# Altium PCB 10515.0462_全联供主板(2拼版)_V1.0.PcbDoc (part 12 of 18)
Units mm, origin at the board's own origin, x right, y up, seen from the top; angles counter-clockwise.
Board outline 282 x 198 mm, 2 copper layers (Top Layer, Bottom Layer); 716 components, 0 nets, 2364 pads, 1800 vias.
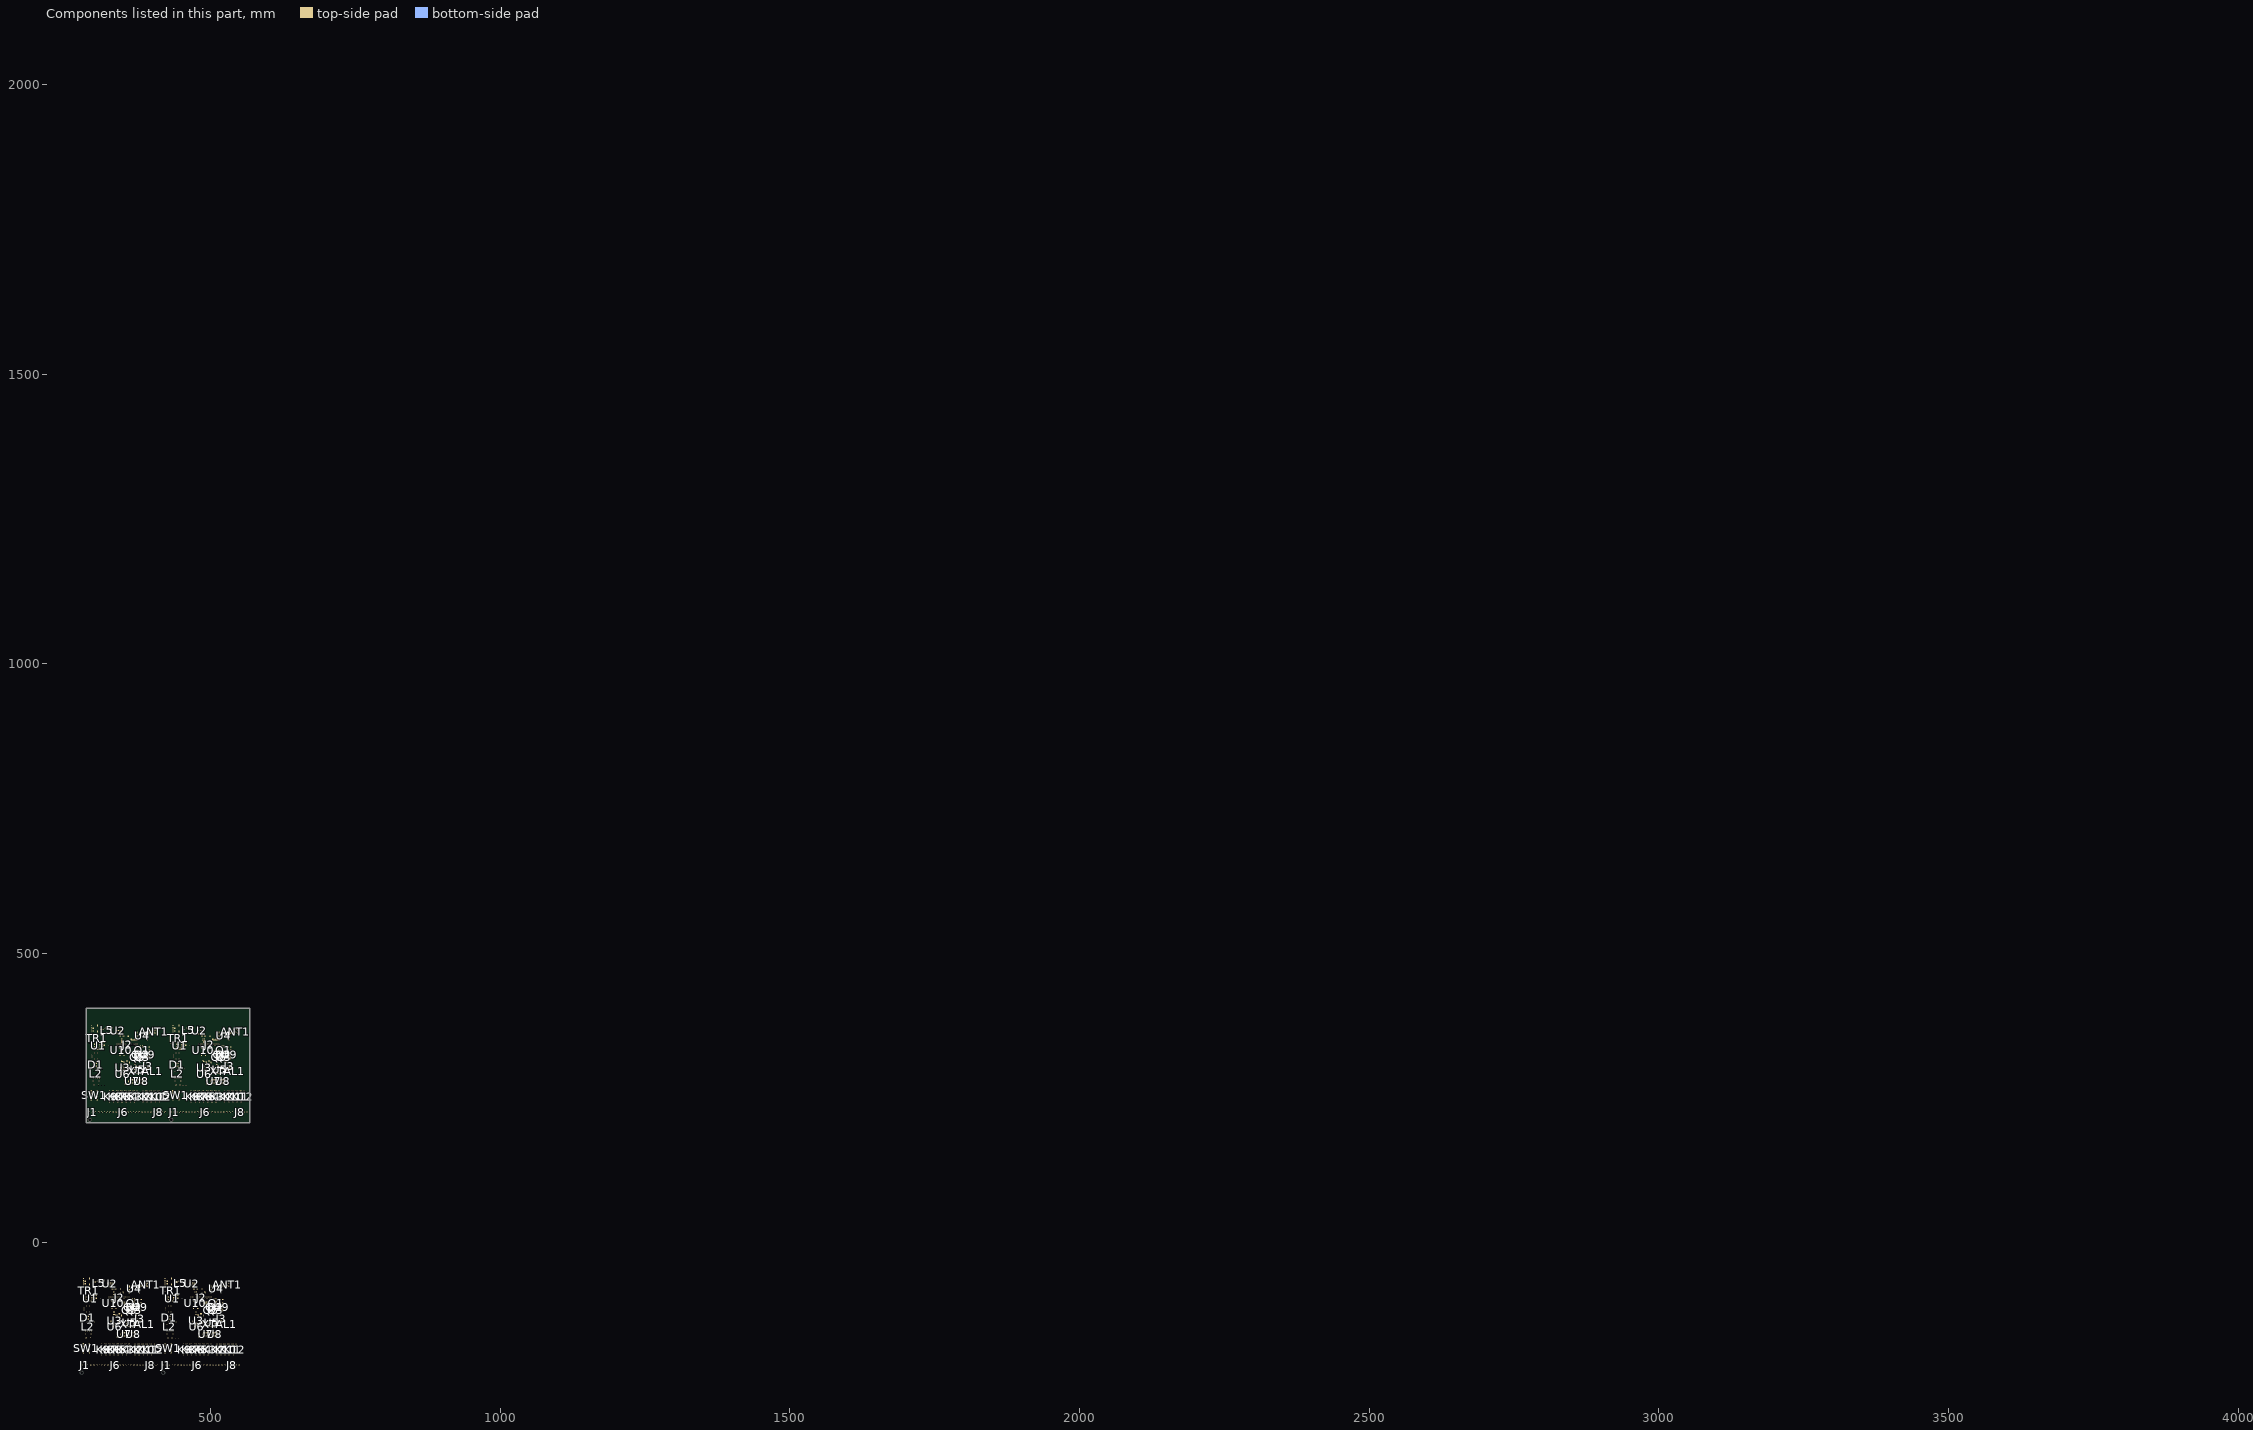
[diagram p12: the components of this part, seen from the top]

## Via types
v1: diameter 0.7, hole 0.4, Top Layer to Bottom Layer, tented both sides, 1800 vias

## Nets (pads, with @x,y where several pads share a name; then routed paths per layer and width w, separated by ;. In a path a pad name is that pad's centre, name@x,y a point inside that pad or via, vN(x,y) a via of type N, cw(c..) or ccw(c..) an arc to the next point about the centre after c; other vN are vias at no path point) (continued)
copper on no net: (continued)
  Top Layer w1: 276.62,-91.985 278.5,-90.106 283.326,-90.106 ; 276.62,-81.985 278.872,-81.985 280.049,-83.162 280.049,-83.984 ; 279.041,-82.154 cw(c277.211,-83.984) 279.799,-83.984 ; 280.049,-73.984 280.049,-76.895 281.412,-78.258 288.397,-78.258 289.605,-77.05 289.605,-76.099 ; 280.38,-97.135 cw(c277.147,-100.368) 281.72,-100.368 ; 280.557,-96.958 283.28,-96.958 ; 281.72,-101.002 281.72,-96.978 ; 282.206,-90.106 ccw(c282.206,-88.428) 283.393,-89.614 ; 284.972,-100.826 ccw(c282.446,-98.3) 286.018,-98.3 ; 285.149,-101.002 286.018,-100.133 286.018,-97.852 ; 285.735,-98.235 cw(c285.052,-98.918) 286.018,-98.918 cw(c286.984,-98.918) 286.301,-98.235 ; 286.111,-136.551 289.319,-136.551 ; 286.301,-93.302 ccw(c288.019,-91.584) 288.019,-94.013 ; 286.547,-94.013 289.059,-94.013 ; 288.431,-102.399 290.59,-102.399 ; 288.431,-100.099 290.59,-100.099 ; 289.009,-77.646 ccw(c287.924,-76.561) 289.33,-75.947 ; 289.059,-97.562 v1(289.059,-96.945) v1(289.685,-96.945) 289.794,-97.054 289.794,-97.308 ; 289.059,-94.895 289.059,-94.013 ; 289.059,-91.868 cw(c291.647,-91.868) 289.817,-90.039 ; 289.605,-89.826 289.059,-90.372 289.059,-94.013 ; 290.249,344.61 292.128,346.49 296.954,346.49 ; 290.249,354.61 292.501,354.61 293.678,353.433 293.678,352.611 ; 290.677,-102.486 290.59,-102.399 ; 292.67,354.441 cw(c290.839,352.611) 293.428,352.611 ; 293.003,-100.099 295.162,-100.099 ; 293.678,362.611 293.678,359.701 295.041,358.337 302.026,358.337 303.234,359.545 303.234,360.496 ; 294.009,339.461 cw(c290.775,336.227) 295.348,336.227 ; 294.186,339.637 296.909,339.637 ; 295.348,335.593 295.348,339.618 ; 295.605,-89.826 296.226,-90.447 302.209,-90.447 ; 295.817,-89.614 ccw(c297.829,-87.603) 297.829,-90.447 ; 295.835,346.49 ccw(c295.835,348.168) 297.022,346.981 ; 297.979,-102.399 ccw(c297.979,-100.989) 298.976,-101.986 ; 298.601,335.77 ccw(c296.075,338.296) 299.647,338.296 ; 298.777,335.593 299.647,336.462 299.647,338.743 ; 299.226,-101.986 298.813,-102.399 295.162,-102.399 293.003,-102.399 290.59,-102.399 ; 299.226,-99.986 299.48,-99.732 299.48,-97.319 ; 299.364,338.36 cw(c298.681,337.677) 299.647,337.677 cw(c300.612,337.677) 299.93,338.36 ; 299.48,-95.019 301.981,-95.019 ; 299.74,300.044 302.948,300.044 ; 299.93,343.294 ccw(c301.648,345.012) 301.648,342.582 ; 300.176,342.582 302.688,342.582 ; 300.296,-90.447 ccw(c300.296,-88.246) 301.853,-89.803 ; 300.469,-95.019 cw(c300.469,-96.976) 301.853,-95.593 ; 300.847,-95.019 ccw(c300.847,-93.596) 301.853,-94.603 ; 301.02,-90.447 cw(c301.02,-91.626) 301.853,-90.793 ; 302.06,334.196 304.219,334.196 ; 302.06,336.496 304.219,336.496 ; 302.638,358.949 ccw(c301.553,360.035) 302.959,360.649 ; 302.688,339.033 v1(302.688,339.65) v1(303.314,339.65) 303.423,339.541 303.423,339.287 ; 302.688,341.7 302.688,342.582 ; 302.688,344.727 cw(c305.276,344.727) 303.446,346.557 ; 303.234,346.769 302.688,346.223 302.688,342.582 ; 304.306,334.109 304.219,334.196 ; 306.632,336.496 308.791,336.496 ; 309.234,346.769 309.855,346.148 315.838,346.148 ; 309.446,346.981 ccw(c311.457,348.993) 311.457,346.148 ; 311.608,334.196 ccw(c311.608,335.606) 312.605,334.609 ; 312.855,334.609 312.442,334.196 308.791,334.196 306.632,334.196 304.219,334.196 ; 312.855,336.609 313.109,336.863 313.109,339.276 ; 313.109,341.576 315.61,341.576 ; 313.925,346.148 ccw(c313.925,348.35) 315.482,346.793 ; 314.098,341.576 cw(c314.098,339.619) 315.482,341.003 ; 314.475,341.576 ccw(c314.475,342.999) 315.482,341.993 ; 314.648,346.148 cw(c314.648,344.97) 315.482,345.803 ; 327.499,-75.475 328.909,-74.066 330.801,-74.066 330.801,-78.397 330.058,-79.14 ; 327.547,-74.48 ccw(c327.839,-72.997) 328.909,-74.066 ; 330.058,-80.545 cw(c331.141,-80.545) 330.927,-79.483 ; 330.484,-75.273 ccw(c329.471,-74.26) 330.894,-74.093 ; 330.801,-78.158 ccw(c331.84,-78.158) 331.105,-78.893 ; 330.801,-74.956 330.058,-75.699 330.058,-79.14 ; 331.201,-79.207 ccw(c332.895,-79.537) 331.675,-80.757 ; 332.075,-86.777 332.075,-84.237 332.075,-81.157 330.058,-79.14 ; 332.075,-82.312 330.058,-80.295 330.058,-79.14 ; 332.343,-69.008 v1(333.101,-69.008) 334.161,-69.008 335.658,-70.505 335.658,-79.14 334.361,-80.437 334.361,-82.83 ; 334.361,-86.777 334.361,-84.237 334.361,-82.83 ; 334.361,-81.185 cw(c336.902,-81.185) 335.105,-79.388 ; 334.361,-80.529 cw(c335.573,-80.529) 335.018,-79.451 ; 335.658,-80.273 334.361,-81.57 334.361,-82.83 ; 341.128,361.12 342.537,362.53 344.43,362.53 344.43,358.198 343.687,357.455 ; 341.176,362.115 ccw(c341.468,363.599) 342.537,362.53 ; 343.687,356.051 cw(c344.77,356.051) 344.556,357.112 ; 344.113,361.323 ccw(c343.1,362.336) 344.523,362.503 ; 344.43,358.438 ccw(c345.469,358.438) 344.734,357.703 ; 344.43,361.639 343.687,360.896 343.687,357.455 ; 344.83,357.388 ccw(c346.524,357.058) 345.304,355.838 ; 345.704,349.818 345.704,352.358 345.704,355.438 343.687,357.455 ; 345.704,354.283 343.687,356.301 343.687,357.455 ; 345.971,367.587 v1(346.73,367.587) 347.79,367.587 349.287,366.09 349.287,357.455 347.99,356.158 347.99,353.765 ; 347.99,349.818 347.99,352.358 347.99,353.765 ; 347.99,355.411 cw(c350.531,355.411) 348.734,357.208 ; 347.99,356.067 cw(c349.202,356.067) 348.647,357.144 ; 349.287,356.322 347.99,355.025 347.99,353.765 ; 385.033,-74.482 390.113,-74.482 390.113,-69.402 385.033,-69.402 ; 385.74,-75.189 cw(c387.447,-76.896) 387.447,-74.482 cw(c387.447,-72.068) 385.74,-73.775 ; 385.74,-70.109 cw(c387.447,-71.816) 387.447,-69.402 cw(c387.447,-66.988) 385.74,-68.695 ; 389.406,-75.189 ccw(c387.698,-76.896) 387.698,-74.482 ccw(c387.698,-72.068) 389.406,-73.775 ccw(c387.698,-72.068) 390.113,-72.068 ccw(c392.527,-72.068) 390.82,-73.775 ; 389.406,-68.695 cw(c387.698,-66.988) 387.698,-69.402 cw(c387.698,-71.816) 389.406,-70.109 cw(c387.698,-71.816) 390.113,-71.816 cw(c392.527,-71.816) 390.82,-70.109 ; 398.661,362.114 403.741,362.114 403.741,367.194 398.661,367.194 ; 399.369,361.406 cw(c401.076,359.699) 401.076,362.114 cw(c401.076,364.528) 399.369,362.821 ; 399.369,366.486 cw(c401.076,364.779) 401.076,367.194 cw(c401.076,369.608) 399.369,367.901 ; 403.034,361.406 ccw(c401.327,359.699) 401.327,362.114 ccw(c401.327,364.528) 403.034,362.821 ccw(c401.327,364.528) 403.741,364.528 ccw(c406.156,364.528) 404.449,362.821 ; 403.034,367.901 cw(c401.327,369.608) 401.327,367.194 cw(c401.327,364.779) 403.034,366.486 cw(c401.327,364.779) 403.741,364.779 cw(c406.156,364.779) 404.449,366.486 ; 417.62,-91.985 419.5,-90.106 424.326,-90.106 ; 417.62,-81.985 419.872,-81.985 421.049,-83.162 421.049,-83.984 ; 420.041,-82.154 cw(c418.211,-83.984) 420.799,-83.984 ; 421.049,-73.984 421.049,-76.895 422.412,-78.258 429.397,-78.258 430.605,-77.05 430.605,-76.099 ; 421.38,-97.135 cw(c418.147,-100.368) 422.72,-100.368 ; 421.557,-96.958 424.28,-96.958 ; 422.72,-101.002 422.72,-96.978 ; 423.206,-90.106 ccw(c423.206,-88.428) 424.393,-89.614 ; 425.972,-100.826 ccw(c423.446,-98.3) 427.018,-98.3 ; 426.149,-101.002 427.018,-100.133 427.018,-97.852 ; 426.735,-98.235 cw(c426.052,-98.918) 427.018,-98.918 cw(c427.984,-98.918) 427.301,-98.235 ; 427.111,-136.551 430.319,-136.551 ; 427.301,-93.302 ccw(c429.019,-91.584) 429.019,-94.013 ; 427.547,-94.013 430.059,-94.013 ; 429.431,-102.399 431.59,-102.399 ; 429.431,-100.099 431.59,-100.099 ; 430.009,-77.646 ccw(c428.924,-76.561) 430.33,-75.947 ; 430.059,-97.562 v1(430.059,-96.945) v1(430.685,-96.945) 430.794,-97.054 430.794,-97.308 ; 430.059,-94.895 430.059,-94.013 ; 430.059,-91.868 cw(c432.647,-91.868) 430.817,-90.039 ; 430.605,-89.826 430.059,-90.372 430.059,-94.013 ; 431.249,344.61 433.128,346.49 437.954,346.49 ; 431.249,354.61 433.501,354.61 434.678,353.433 434.678,352.611 ; 431.677,-102.486 431.59,-102.399 ; 433.67,354.441 cw(c431.839,352.611) 434.428,352.611 ; 434.003,-100.099 436.162,-100.099 ; 434.678,362.611 434.678,359.701 436.041,358.337 443.026,358.337 444.234,359.545 444.234,360.496 ; 435.009,339.461 cw(c431.775,336.227) 436.348,336.227 ; 435.186,339.637 437.909,339.637 ; 436.348,335.593 436.348,339.618 ; 436.605,-89.826 437.226,-90.447 443.209,-90.447 ; 436.817,-89.614 ccw(c438.829,-87.603) 438.829,-90.447 ; 436.835,346.49 ccw(c436.835,348.168) 438.022,346.981 ; 438.979,-102.399 ccw(c438.979,-100.989) 439.976,-101.986 ; 439.601,335.77 ccw(c437.075,338.296) 440.647,338.296 ; 439.777,335.593 440.647,336.462 440.647,338.743 ; 440.226,-101.986 439.813,-102.399 436.162,-102.399 434.003,-102.399 431.59,-102.399 ; 440.226,-99.986 440.48,-99.732 440.48,-97.319 ; 440.364,338.36 cw(c439.681,337.677) 440.647,337.677 cw(c441.612,337.677) 440.93,338.36 ; 440.48,-95.019 442.981,-95.019 ; 440.74,300.044 443.948,300.044 ; 440.93,343.294 ccw(c442.648,345.012) 442.648,342.582 ; 441.176,342.582 443.688,342.582 ; 441.296,-90.447 ccw(c441.296,-88.246) 442.853,-89.803 ; 441.469,-95.019 cw(c441.469,-96.976) 442.853,-95.593 ; 441.847,-95.019 ccw(c441.847,-93.596) 442.853,-94.603 ; 442.02,-90.447 cw(c442.02,-91.626) 442.853,-90.793 ; 443.06,334.196 445.219,334.196 ; 443.06,336.496 445.219,336.496 ; 443.638,358.949 ccw(c442.553,360.035) 443.959,360.649 ; 443.688,339.033 v1(443.688,339.65) v1(444.314,339.65) 444.423,339.541 444.423,339.287 ; 443.688,341.7 443.688,342.582 ; 443.688,344.727 cw(c446.276,344.727) 444.446,346.557 ; 444.234,346.769 443.688,346.223 443.688,342.582 ; 445.306,334.109 445.219,334.196 ; 447.632,336.496 449.791,336.496 ; 450.234,346.769 450.855,346.148 456.838,346.148 ; 450.446,346.981 ccw(c452.457,348.993) 452.457,346.148 ; 452.608,334.196 ccw(c452.608,335.606) 453.605,334.609 ; 453.855,334.609 453.442,334.196 449.791,334.196 447.632,334.196 445.219,334.196 ; 453.855,336.609 454.109,336.863 454.109,339.276 ; 454.109,341.576 456.61,341.576 ; 454.925,346.148 ccw(c454.925,348.35) 456.482,346.793 ; 455.098,341.576 cw(c455.098,339.619) 456.482,341.003 ; 455.475,341.576 ccw(c455.475,342.999) 456.482,341.993 ; 455.648,346.148 cw(c455.648,344.97) 456.482,345.803 ; 468.499,-75.475 469.909,-74.066 471.801,-74.066 471.801,-78.397 471.058,-79.14 ; 468.547,-74.48 ccw(c468.839,-72.997) 469.909,-74.066 ; 471.058,-80.545 cw(c472.141,-80.545) 471.927,-79.483 ; 471.484,-75.273 ccw(c470.471,-74.26) 471.894,-74.093 ; 471.801,-78.158 ccw(c472.84,-78.158) 472.105,-78.893 ; 471.801,-74.956 471.058,-75.699 471.058,-79.14 ; 472.201,-79.207 ccw(c473.895,-79.537) 472.675,-80.757 ; 473.075,-86.777 473.075,-84.237 473.075,-81.157 471.058,-79.14 ; 473.075,-82.312 471.058,-80.295 471.058,-79.14 ; 473.343,-69.008 v1(474.101,-69.008) 475.161,-69.008 476.658,-70.505 476.658,-79.14 475.361,-80.437 475.361,-82.83 ; 475.361,-86.777 475.361,-84.237 475.361,-82.83 ; 475.361,-81.185 cw(c477.902,-81.185) 476.105,-79.388 ; 475.361,-80.529 cw(c476.573,-80.529) 476.018,-79.451 ; 476.658,-80.273 475.361,-81.57 475.361,-82.83 ; 482.128,361.12 483.537,362.53 485.43,362.53 485.43,358.198 484.687,357.455 ; 482.176,362.115 ccw(c482.468,363.599) 483.537,362.53 ; 484.687,356.051 cw(c485.77,356.051) 485.556,357.112 ; 485.113,361.323 ccw(c484.1,362.336) 485.523,362.503 ; 485.43,358.438 ccw(c486.469,358.438) 485.734,357.703 ; 485.43,361.639 484.687,360.896 484.687,357.455 ; 485.83,357.388 ccw(c487.524,357.058) 486.304,355.838 ; 486.704,349.818 486.704,352.358 486.704,355.438 484.687,357.455 ; 486.704,354.283 484.687,356.301 484.687,357.455 ; 486.971,367.587 v1(487.73,367.587) 488.79,367.587 490.287,366.09 490.287,357.455 488.99,356.158 488.99,353.765 ; 488.99,349.818 488.99,352.358 488.99,353.765 ; 488.99,355.411 cw(c491.531,355.411) 489.734,357.208 ; 488.99,356.067 cw(c490.202,356.067) 489.647,357.144 ; 490.287,356.322 488.99,355.025 488.99,353.765 ; 526.033,-74.482 531.113,-74.482 531.113,-69.402 526.033,-69.402 ; 526.74,-75.189 cw(c528.447,-76.896) 528.447,-74.482 cw(c528.447,-72.068) 526.74,-73.775 ; 526.74,-70.109 cw(c528.447,-71.816) 528.447,-69.402 cw(c528.447,-66.988) 526.74,-68.695 ; 530.406,-75.189 ccw(c528.698,-76.896) 528.698,-74.482 ccw(c528.698,-72.068) 530.406,-73.775 ccw(c528.698,-72.068) 531.113,-72.068 ccw(c533.527,-72.068) 531.82,-73.775 ; 530.406,-68.695 cw(c528.698,-66.988) 528.698,-69.402 cw(c528.698,-71.816) 530.406,-70.109 cw(c528.698,-71.816) 531.113,-71.816 cw(c533.527,-71.816) 531.82,-70.109 ; 539.661,362.114 544.741,362.114 544.741,367.194 539.661,367.194 ; 540.369,361.406 cw(c542.076,359.699) 542.076,362.114 cw(c542.076,364.528) 540.369,362.821 ; 540.369,366.486 cw(c542.076,364.779) 542.076,367.194 cw(c542.076,369.608) 540.369,367.901 ; 544.034,361.406 ccw(c542.327,359.699) 542.327,362.114 ccw(c542.327,364.528) 544.034,362.821 ccw(c542.327,364.528) 544.741,364.528 ccw(c547.156,364.528) 545.449,362.821 ; 544.034,367.901 cw(c542.327,369.608) 542.327,367.194 cw(c542.327,364.779) 544.034,366.486 cw(c542.327,364.779) 544.741,364.779 cw(c547.156,364.779) 545.449,366.486